# KiCad board digital_board_v1.kicad_pcb (continued)
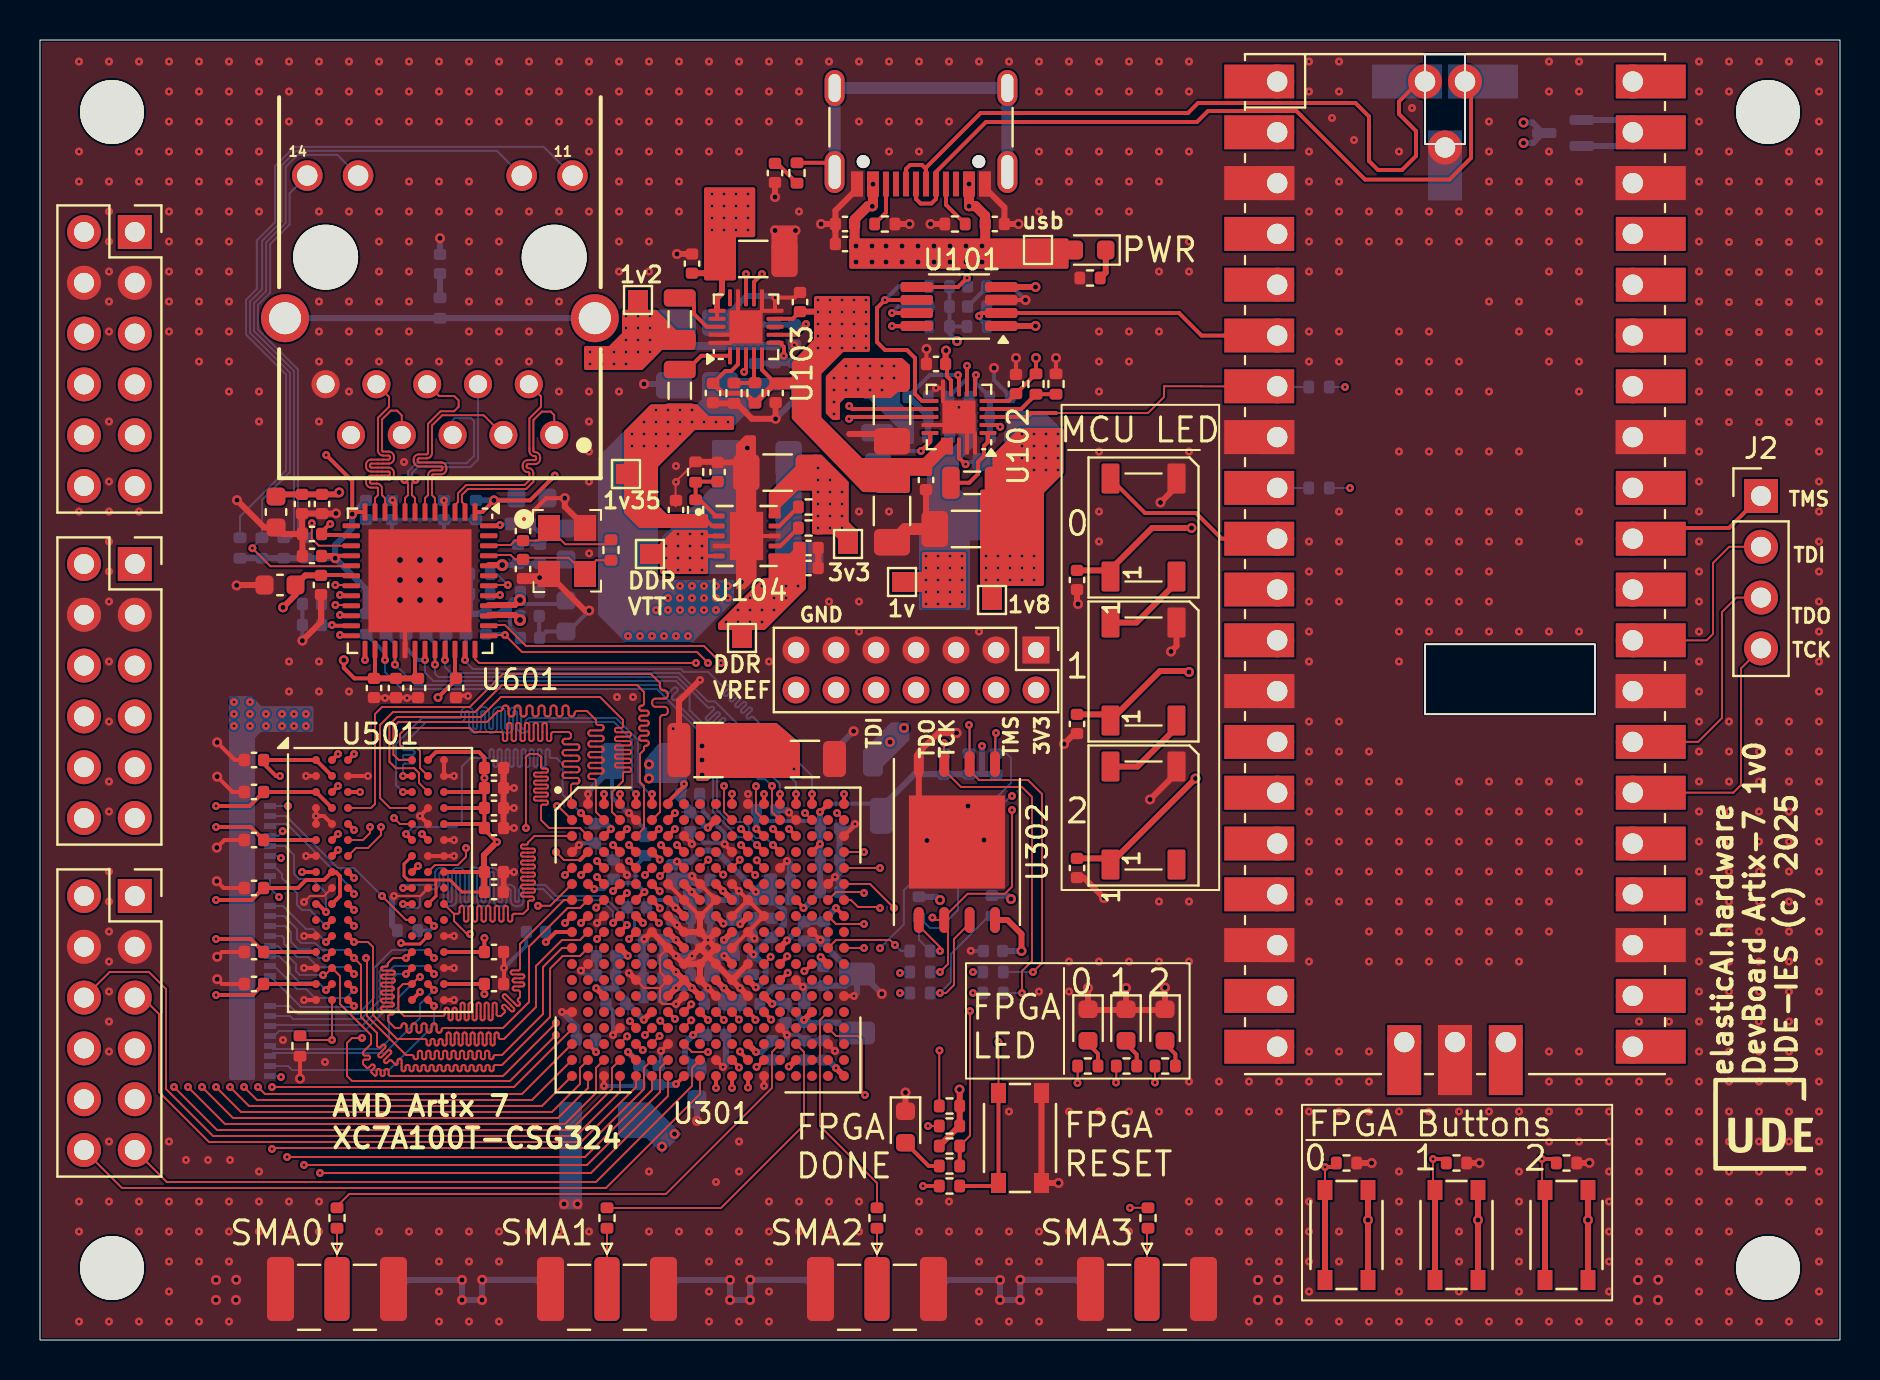
[diagram p0: board, top side]
## Nets (continued)
Net-(U104-REFIN): C125.1 R122.2 R123.1 U104.1
Net-(U301A-IO_L1N_T0_D01_DIN_14): R302.2 U301.K18
Net-(U301A-IO_L1P_T0_D00_MOSI_14): R301.2 U301.K17
Net-(U301A-IO_L2N_T0_D03_14): R304.2 U301.M14
Net-(U301A-IO_L2P_T0_D02_14): R303.2 U301.L14
Net-(U301A-IO_L3N_T0_DQS_EMCCLK_14): R305.2 U301.L16
Net-(U501-ZQ): R505.2 U501.L8
Net-(U601-ISET): R613.2 U601.48

Pads without a net: D203 2; J3 A8 B8; J401 12 14; J601 9; U11 30 35 37 40 41 43; U301 A8 A9 A10 B8 B9 B12 B17 C9 C10 C11 C16 C17 D3 D9 D10 D15 E15 E16 F5 F13 F14 F15 F16 G13 G14 G16 H14 H15 H16 J13 J14 J15 J17 J18 K3 K5 K6 K13 K15 K16 L1 L3 L4 L5 L6 L15 L18 M1 M2 M3 M4 M6 M13 M16 M17 M18 N1 N2 N4 N5 N6 N14 N15 N16 N17 P2 P3 P4 P5 P14 P15 P18 R2 R3 R10 R11 R12 R13 R15 R16 R18 T3 T9 T10 T11 T13 T16 T18 U8 U14 U16 U17 U18 V14 V15 V16 V17; U501 J1 J9 L1 L9 M7; U601 13 43 47

## Via types
v1: diameter 0.4, hole 0.15, F.Cu (signal) to B.Cu (signal), 1417 vias
v2: diameter 0.5, hole 0.25, F.Cu (signal) to B.Cu (signal), 133 vias
v3: diameter 0.6, hole 0.3, F.Cu (signal) to B.Cu (signal), 12 vias
v4: diameter 0.45, hole 0.2, F.Cu (signal) to B.Cu (signal), 1 via

## Routing (per net, layer and track width the routed paths; a pad name or vN(x,y) marks a point on that pad's centre or on a via; arc(x,y) is an arc through that point)
/MCU/3V3_MCU: length 1.8
  B.Cu (signal) w0.1: R205.1 v1(65.5,42.6) ; R204.1 v1(65.25,47.65)
/VCC_1V: length 71.9
  F.Cu (signal) w0.2: 35.07,29.5 33.3,29.5 v2(33.1,29.7) v2(33.1,29) v2(33.1,28.25) ; v1(37.7,28.55) 37.2,29.05 C413.1
  F.Cu (signal) w0.3: v1(34.21,19.21) 34.6,18.82 U301.L11 ; U301.M8 v1(32.6,17.6) U301.N9 ; U301.M8 v1(31.8,18.4) U301.L7 ; U301.M8 v1(31.8,17.6) U301.N7 ; v1(32.59,22.4) 32.2,22.79 U301.F8 U301.G9 ; v1(34.2,20) U301.J11 ; U301.F10 v1(34.15,22.45) U301.G11 ; U301.H8 U301.G7 ; U301.K8 v1(31.8,20) U301.J7 ; U301.N11 v1(34.2,17.6) U301.M10
  In4.Cu (PWR) w0.2: v1(37.7,28.55) 33.3,28.55 33.1,28.35 33.1,27.5 34.1,26.5 34.1,25.55 33,24.45 33,23.6 v1(34.15,22.45)
  B.Cu (signal) w0.1: v1(45.5,39.2) v1(45.5,38.6) v1(45.5,38) v1(45.5,37.4) v1(45.5,36.8) ; v1(45.5,39.2) v1(44.9,39.2) ; v1(45.5,39.2) v1(46.1,39.2) ; v1(44.9,39.2) v1(44.9,38.6) v1(44.9,38) v1(44.9,37.4) v1(44.9,36.8) ; v1(44.9,39.2) v1(44.3,39.2) v1(44.3,38.6) v1(44.3,38) v1(44.3,37.4) v1(44.3,36.8) ; v1(46.1,39.2) v1(46.1,38.6) v1(46.1,38) v1(46.1,37.4) v1(46.1,36.8) ; v1(46.1,39.2) 46.1,39.53 45.03,40.61
  B.Cu (signal) w0.2: 30.27,21.67 30.6,22 31.53,22 C419.1
  B.Cu (signal) w0.3: v1(31.8,20) 31.28,20 31.13,20.15 31.13,17.3 31.5,17.3 v1(31.8,17.6) ; 31.13,18.25 31.28,18.4 v1(31.8,18.4) v1(31.8,17.6) ; v1(34.15,22.45) 33.59,23.01 C411.1 ; 45.03,39.92 C108.1 45.03,43.62 ; v1(31.78,21.61) 31.8,21.59 31.8,21.58 ; C416.1 34.65,19.19 C423.1 ; C416.1 32.55,20.14 C422.1 C424.1 C411.1 ; C416.1 C426.1 34.14,17.6 v1(34.2,17.6) 34.18,17.58 C415.1 C418.1 ; C423.1 34.68,19.24 C417.1 34.53,20 v1(34.2,20) 34.2,19.23 C423.1 ; 46.43,45.03 C107.1 46.46,45.18 ; 33.49,23.02 C411.1 ; 32.53,21.1 C428.1 ; v1(31.8,17.6) v1(32.6,17.6)
  B.Cu (signal) w0.4: R107.1 46.46,45.18 ; 46.43,45.03 45.03,43.62
  B.Cu (signal) w0.8: C108.1 45.03,42.92 46.17,41.78 47.22,41.78
/VCC_1V2: length 45.5
  F.Cu (signal) w0.1: L104.1 30.77,51.2 v1(30.5,51.2)
  F.Cu (signal) w0.2: v1(17.63,41.99) 17.75,41.87 17.75,41.44 ; C610.1 18.75,33.23 18.75,34.56 ; v1(14.6,35.75) 14.64,35.71 15.53,35.71 ; 14,38.08 14.17,38.25 15.56,38.25 ; 15.56,40.25 14.13,40.25 C613.1 14.08,40.4 14.45,40.77 14.48,40.77 v1(14.51,40.8) ; 16.75,34.56 16.75,33.13 C609.1 15.72,33.08 15.19,33.61 v2(15.19,33.99)
  F.Cu (signal) w0.3: C609.1 C616.1 C610.1 ; v3(23.11,38.75) 23.11,38.75 22.44,38.75 ; v2(14.96,42.38) 14.86,42.28 C620.1 C621.1 11.91,42.28 C622.1 ; L104.1 32,49.99 32.2,49.99 ; C615.1 13.26,38.23 12.78,37.75 C617.1 12.78,37.25 v2(12.15,36.63) ; 22.44,36.25 23.75,36.25 v3(24,36)
  B.Cu (signal) w0.1: v1(29.9,49.4) v1(30.5,49.4) v1(30.5,50) v1(30.5,50.6) v1(30.5,51.2) v1(29.9,51.2) v1(29.3,51.2) v1(29.3,50.6) ; v1(29.3,49.4) v1(29.3,48.8) v1(28.7,48.8) v1(28.1,48.8) v1(27.5,48.8) ; v1(29.3,49.4) v1(28.7,49.4) v1(28.1,49.4) v1(27.5,49.4) ; v1(29.3,49.4) v1(29.3,50) v1(29.9,50) v1(29.9,50.6)
  B.Cu (signal) w0.3: C119.1 32.28,50.28 32.28,50.27 ; C625.1 26.09,38.82 C623.1 C624.1 23.83,38.75 v3(23.11,38.75) ; v1(14.6,35.75) C612.1 C614.1 ; 36.65,49.7 36.7,49.75 ; 35.7,49.77 35.77,49.7
  B.Cu (signal) w0.4: C119.1 31.7,49.7 35.63,49.7 35.7,49.77 ; 35.77,49.7 36.65,49.7
  vias: v1(20.2,41.98)
/VCC_1V8: length 41.5
  F.Cu (signal) w0.1: v1(47.9,39.2) v1(47.9,38.6) v1(47.9,38) ; v1(47.9,39.2) v1(48.5,39.2) ; v1(47.9,39.2) v1(47.3,39.2) ; v1(48.5,39.2) v1(49.1,39.2) ; v1(48.5,39.2) v1(48.5,38.6) v1(48.5,38) ; v1(49.1,39.2) v1(49.7,39.2) v1(49.7,38.6) v1(49.7,38) v1(49.1,38) ; v1(49.1,39.2) v1(49.1,38.6) ; C110.1 47.3,39.99 v1(47.3,39.2) ; v1(47.3,39.2) v1(47.3,38.6) v1(47.3,38)
  F.Cu (signal) w0.2: U301.E8 31.88,23.92 v1(31.84,23.92) ; 34.17,20.83 v1(34.17,20.82)
  F.Cu (signal) w0.3: v1(35.01,20.79) 35.4,21.18 U301.H12 ; v1(35.79,17.63) 35.42,18 U301.M12 ; U301.K12 35.4,19.55 v1(35.68,19.28) ; U301.F12 v1(35.79,22.41) ; U301.H10 34.17,20.83
  B.Cu (signal) w0.1: v1(50.9,43.5) v1(50.9,44.1) v1(50.9,44.7) v1(50.9,45.3) 50.7,45.1 50.5,45.1 v1(50.3,45.3) ; v1(50.3,43.5) v1(50.3,44.1) v1(50.3,44.7) v1(50.3,45.3) ; v1(49.1,43.5) v1(49.1,44.1) v1(49.1,44.7) v1(49.1,45.3) ; v1(49.7,43.5) v1(49.7,44.1) v1(49.7,44.7) v1(49.7,45.3) ; v1(49.1,45.3) 49.1,45.2 49.05,45.15 C109.1 ; v1(49.1,45.3) 49.3,45.1 49.5,45.1 v1(49.7,45.3) ; v1(49.7,45.3) 49.9,45.1 50.1,45.1 v1(50.3,45.3)
  B.Cu (signal) w0.2: 36.54,22.05 C403.1 35.79,22.2 v1(35.79,22.41) ; 35.75,22.5 35.75,22.32
  B.Cu (signal) w0.3: C407.1 34.98,20.79 v1(35.01,20.79) ; C407.1 34.44,20.85 34.2,20.85 v1(34.17,20.82) ; C407.1 C403.1 ; v1(31.84,23.92) 32.52,23.92 33.07,24.47 33.78,24.47 35.75,22.5 ; C109.1 48.51,45.18 R109.1 ; C405.1 41.65,29.05 v2(42.5,29.9) v2(43.2,30.6) ; 36.54,22.05 36.63,22.05 37.19,21.49 37.19,20.75 36.58,20.14 C409.1 36.53,20.13 v1(35.68,19.28) 36.28,18.67 36.28,18.03 35.88,17.63 v1(35.79,17.63)
GND: length 366.1
  F.Cu (signal) w0.1: R123.2 31.78,42.91 31.78,41.68 ; 31,17.6 31,16.92 31.12,16.8 v1(31.8,16.8) ; 31,17.6 30.2,17.6 U301.M5 ; 31,17.6 U301.M7 31,18.4 31,19.2 U301.K7 ; U501.J2 14.2,22.2 13.5,22.2 v1(13.2,21.9) ; U501.J8 19,22.2 v1(17.7,22.2) ; U301.B15 37.45,26.35 v1(37.45,26.38) ; U301.L2 27.07,18.47 v1(27.04,18.47)
  F.Cu (signal) w0.2: 17.22,32.12 17.24,32.1 v1(17.25,32.1) ; U301.K11 U301.J12 U301.H13 U301.G12 ; v2(26.24,42.09) 25.31,42.09 C626.2 ; v2(35.07,37.9) 35.07,39.94 U104.11 ; U102.21 46.75,45.35 U102.20 ; U102.21 46.35,45.75 U102.19 ; U102.21 45.55,45.75 U102.14 ; U102.21 45.15,46.95 U102.10 v1(44.8,47.6) ; U301.M15 v1(38.15,17.65) ; 35,18.4 U301.M11 ; R504.2 v2(13,13.07) ; U501.M1 v1(13.2,20.2) ; v1(34.23,24.79) 34.24,24.79 34.24,24.76 U301.D11 ; C510.1 23.2,19.38 v1(23.2,18.6) 23.2,17.82 C507.1 ; U301.D1 v1(26.95,24.75) ; C506.1 v1(23.7,27.6) ; U301.N18 v1(40.7,17.2) ; C505.1 v1(23.7,25.6) ; U501.M9 v1(20.7,20.2) ; U301.H11 U301.G12 ; U301.G12 U301.F11 v1(34.95,22.45) ; 20.8,32.22 21.38,32.22 v1(21.4,32.2) ; U301.R14 v1(37.35,15.25) ; U301.E14 v1(37.35,23.95) ; U501.E2 14.2,26.2 v1(13.8,26.2) ; U501.P1 v1(13.2,18.6) ; C503.1 v1(23.7,26.6) ; U501.G8 U501.G9 v1(20.7,24.2) ; U501.B3 v1(16.4,28.2) ; v1(39.02,20) 38.62,20.4 U301.J16 ; 16.8,32.12 16.7,32.22 ; v1(40.75,25.8) 40.75,25.75 U301.C18 ; U501.E8 v1(19,26.2) U501.D8 ; C508.1 9.1,19.4 v2(8.86,19.16) ; v1(17.25,32.1) 17.27,32.12 C616.2 18.33,32.12 v1(18.35,32.1) 18.37,32.12 C610.2 ; v1(17.25,32.1) 17.23,32.12 C609.2 ; U103.21 34.9,51.06 U103.14 ; U103.21 36.1,51.46 ; U103.21 34.9,50.26 U103.19 ; U103.21 34.5,49.86 U103.20 ; v2(8.86,28.17) 9.63,27.4 C512.1 ; U301.E4 v1(29.35,23.25) ; C513.1 9.22,25 v2(8.84,24.62) ; 36.1,51.46 U103.11 ; 36.1,51.46 U103.10 36.75,52.11 v1(36.76,52.12) 37.74,52.12 C116.2 ; C104.2 v2(48.8,49.1) ; C509.1 9.1,17.8 v2(8.86,18.04) ; U501.G1 v1(13.3,24.2) ; U301.C8 v1(32.6,24.8) ; U301.F17 v1(39.75,23.15) ; U501.T9 v1(20.7,17) ; C511.1 9.74,29 v2(8.86,29.88) ; C514.1 9.18,22.6 v2(8.84,22.94) ; U301.H3 v1(27.85,20.85) ; U104.8 U104.11 ; U104.11 34.83,39.7 U104.4 ; U501.F9 v1(20.7,25) ; U301.R4 v1(28.65,15.25) ; U301.B5 v1(29.45,26.35) ; v2(44.32,49.55) 44.32,49.55 C103.2 ; U601.49 18.25,37.21 U601.29 ; U301.P1 v1(26.1,16.4) ; v1(20.7,28.2) U501.B9 U501.A9 ; v2(49.28,52) U101.3 ; U301.V13 v1(36.2,12.7) ; v1(20.7,18.6) U501.P9 ; U501.B1 v1(13.3,28.2) ; U501.D1 U501.E1 ; U301.V3 v1(28.2,12.7) ; v1(32.6,23.2) U301.F9 U301.G10 U301.H9 U301.G8 U301.F7 ; U301.A2 v1(27.4,27.3) ; U301.U10 v1(34.15,13.65) ; U501.T1 v1(13.2,17) ; U301.T17 v1(39.75,14.45) ; U301.T7 v1(31.05,14.45) ; R106.2 v2(50.8,49.1) ; C504.1 v1(23.7,23.4)
  F.Cu (signal) w0.3: J3.A1 47.25,57.6 48.22,56.63 C201.2 v2(48.93,55.8) ; U301.N10 v1(33.4,17.6) U301.M9 U301.L9 ; 40.46,45.3 42.24,45.3 C112.2 ; U302.9 47.1,24.9 v2(47.2,25) ; U302.9 45.84,26.15 v2(46.4,26.7) ; U302.9 44.43,24.9 v2(44.35,24.97) ; U302.9 43.94,26.81 U302.4 43.94,29.38 44.91,30.35 v2(45.83,30.35) ; v2(50.93,7.85) S401.1 S401.2 ; U301.L9 33.4,19.2 ; U301.L9 U301.L8 ; 33.4,19.2 U301.K10 v1(33.4,20) ; 33.4,19.2 U301.L10 U301.M11 ; 33.4,19.2 U301.K9 ; v1(33.4,20) U301.J9 ; v1(33.4,20) U301.K9 ; v1(33.4,20) U301.J10 ; v2(51.9,36.8) 51.85,36.85 C205.2 ; 71.34,8.85 v2(71.97,8.85) ; C613.2 C605.2 ; C613.2 13.1,40.32 C621.2 C620.2 14.79,41.32 v2(14.8,41.33) ; C613.2 12.12,40.3 C622.2 11.22,40.62 v2(9.85,41.99) ; C113.1 33.69,46.83 R114.2 34.83,46.83 35.6,46.06 v2(36.78,46.06) C114.1 ; C505.1 C501.1 C506.1 ; U301.M5 v1(29.45,18.35) ; 23.2,22.33 23.18,22.35 C504.1 ; v2(56.25,17.62) 56.25,16.5 54.41,16.5 54.3,16.39 ; 56.82,43.08 56.82,42.67 v2(56.03,41.88) ; U301.N8 v1(31.8,16.8) ; C110.2 44.3,40.99 C105.2 ; D401.1 v2(43.28,12.38) ; C115.2 v2(31.85,54.3) ; 31.85,20.78 31.82,20.78 U301.H7 ; C627.2 24.2,38.12 25.27,38.12 Y601.2 25.45,38.27 27.25,36.47 v2(27.46,36.47) ; v2(55.5,27.03) 56.82,28.35 56.82,28.68 ; U301.J9 U301.J8 v1(31.85,20.75) ; U301.J9 U301.H9 ; 39.77,55.45 39.77,56.47 40.85,57.55 J3.A12 ; 39.77,55.45 C203.2 v2(39.05,55.8) ; 39.77,55.45 39.77,54.75 ; U301.M11 v1(35,17.6) U301.N12 ; U301.M11 U301.L12 ; 76.84,8.85 77.46,8.85 v2(77.47,8.86) ; C615.2 14.05,35.9 v2(13.12,34.97) ; C130.2 C131.2 ; 54.3,16.39 v2(54.3,17.6) ; 54.3,16.39 54.19,16.5 52.4,16.5 v2(52.4,17.6) ; v2(9.83,37.73) 9.95,37.73 9.97,37.75 C617.2 ; v2(56.55,34.43) 56.82,34.7 56.82,35.88 ; C117.1 37.22,55 v2(36.75,55.47) v2(37.78,55.47) ; R123.2 33.85,43.91 C125.2 34.89,43.88 35.37,43.4 v2(35.37,44.6) ; v2(26.24,42.09) 26.24,41.67 27.25,40.66 Y601.4 ; v2(53.2,22.1) 52.18,23.12 C207.2 ; R202.2 v2(44.53,55.8) ; U301.K9 v1(32.6,19.2) U301.L8 ; v2(51.2,29.8) 51.72,30.32 C206.2 ; U301.L8 v1(31.8,19.2) U301.K7 U301.J6 30.58,20.4 v1(30.21,20.04) ; v1(33,33) 31.95,31.95 C414.2 31.95,30.28 v1(31.66,30.57) ; U301.J12 v1(35.72,20.07) ; 65.84,8.85 v2(66.58,8.85) ; C204.2 v2(36.75,57.15) ; R201.2 v2(43.47,55.8)
  F.Cu (signal) w0.6: C110.2 43.26,40.55 C106.1
  In4.Cu (PWR) w0.6: U11.18 64.96,19.75 65.1,19.6 ; U11.13 64.75,32.44 64.8,32.5 ; 70.9,17.9 70.75,17.75 70.75,14.9
  B.Cu (signal) w0.15: C412.2 29.73,21.25 29.73,20.44 C421.2
  B.Cu (signal) w0.2: R110.2 48.51,47.19 47.7,48 v2(47.7,48.6) ; R112.2 44.41,47.21 v1(44.8,47.6) ; C614.2 C612.2 v2(13.12,34.97) ; v3(20,39) 20.2,39.2 C618.2 ; C623.2 25.08,39.78 25.88,40.58 C625.2 ; C623.2 C624.2 ; C623.2 25,40.32 R613.1 24.52,41.29 25.33,42.1 C606.2 25.38,42.09 v2(26.24,42.09) ; v1(28.65,15.25) 28.65,16.45 C323.1 ; v1(28.2,12.7) 29.91,12.7 C326.1 ; C608.2 C618.2 ; C618.2 C619.2 ; v1(32.6,24.8) 32.59,24.81 32.59,25.33 C317.1 32.64,25.42 33.19,24.87 34.15,24.87 v1(34.23,24.79) 34.23,25.35 33.16,26.42 33.16,27.12 C319.1 ; C611.2 24.96,35.12 C602.2 25.31,35.43 C601.2 26.41,35.43 v2(27.46,36.47) ; C305.1 37.91,15.28 37.38,15.28 v1(37.35,15.25) ; v1(27.04,18.47) 27.26,18.25 C327.1 C322.1 ; v1(46.54,19.46) 46.55,19.45 C144.2 ; C619.2 C607.2 ; C619.2 17.6,39.4 v3(18,39) ; C324.1 31.05,13.84 v1(31.05,14.45) ; v1(29.35,23.25) 29.35,23.33 C320.1 28.58,24 C315.1 27.05,24.85 v1(26.95,24.75) ; v2(49.28,52) 48.6,52.67 C102.2 47.34,52.64 C101.2 ; C318.1 24.32,19.72 v1(23.2,18.6) ; R108.2 v1(45.94,46.63) ; C321.1 28.6,28.93 28.6,27.13 29.38,26.35 v1(29.45,26.35) 30.26,25.54 C316.1 ; v1(32.6,23.2) 32.6,23.07 C411.2
  B.Cu (signal) w0.3: 52.53,2.3 51.81,3.01 v2(49.01,3.01) 49.01,2.01 v2(49,2) v2(48,2) v2(48,3) 45.38,3 44.68,2.3 ; v1(38.15,17.65) 36.68,17.65 36,16.97 C418.2 ; v1(38.15,17.65) 38.22,17.58 C306.1 ; v1(38.15,17.65) 38.22,17.72 C301.1 40.27,17.72 C307.1 ; 26.53,7.25 C328.1 ; C305.1 C304.1 ; v1(33.4,17.6) 33.22,17.42 C415.2 ; C420.2 C425.2 C427.2 C421.2 ; 37.5,22.05 37.5,23.8 v1(37.35,23.95) ; v2(46.4,26.7) 45.91,26.21 C314.1 44.59,25.78 44.59,25.22 v2(44.35,24.97) ; v1(31.8,19.2) 32.53,19.2 C416.2 C426.2 ; C405.2 39.75,29.51 v2(40.68,30.44) ; v1(36.76,52.12) 36.68,52.2 35.34,52.2 C121.2 ; 31.18,2.3 31.88,3 v2(34.5,3) v2(34.5,2) v2(35.5,2) 35.51,2.01 v2(35.51,3.01) 38.31,3.01 39.03,2.3 ; v2(30.2,47.8) 31.64,47.8 C119.2 ; v1(37.45,26.38) 37.34,26.49 C308.1 ; v2(42.09,17.31) 41.1,18.3 C307.1 ; 37.7,47.83 37.7,46.98 v2(36.78,46.06) ; C303.1 36.95,14 37.35,14.4 v1(37.35,15.25) 37.28,15.32 C302.1 ; C401.2 v2(32.85,10.95) ; C628.2 v2(20,55.09) ; C417.2 C407.2 C409.2 ; C325.1 26.82,15.68 v1(26.1,16.4) ; R505.1 17.6,20.74 17.6,22.1 v1(17.7,22.2) ; C402.2 34.29,13.79 v1(34.15,13.65) ; C604.2 v2(24.98,38.12) ; v1(40.7,17.2) 40.85,17.35 C307.1 ; C310.1 39.98,22.92 v1(39.75,23.15) 39.98,23.38 C313.1 C309.1 40.52,25.57 v1(40.75,25.8) ; C408.2 C423.2 34.69,17.91 v1(35,17.6) ; C403.2 34.63,22 33.55,22 C424.2 C428.2 C422.2 ; 25.53,2.3 24.81,3.01 v2(22.11,3.01) 22.11,2.01 v2(22.1,2) v2(21.1,2) v2(21.1,3) 18.38,3 17.68,2.3 ; C307.1 40.66,18.3 39.18,19.78 C311.1 C312.1 ; C321.1 28.62,28.63 27.4,27.41 v1(27.4,27.3) ; C411.2 31.83,23.01 C410.2
  vias: v1(1.95,63.92) v1(1.95,59.42) v1(1.95,57.92) v1(1.95,41.42) v1(1.95,6.92) v1(1.95,5.42) v1(1.95,0.92) v1(3.45,63.92) v1(3.45,57.92) v1(3.45,56.42) v1(3.45,54.92) v1(3.45,53.42) v1(3.45,51.92) v1(3.45,50.42) v1(3.45,45.92) v1(3.45,42.92) v1(3.45,41.42) v1(3.45,39.92) v1(3.45,38.42) v1(3.45,36.92) v1(3.45,33.92) v1(3.45,30.92) v1(3.45,27.92) v1(3.45,26.42) v1(3.45,23.42) v1(3.45,21.92) v1(3.45,20.42) v1(3.45,18.92) v1(3.45,17.42) v1(3.45,15.92) v1(3.45,14.42) v1(3.45,9.92) v1(3.45,6.92) v1(3.45,0.92) v1(4.95,63.92) v1(4.95,59.42) v1(4.95,57.92) v1(4.95,41.42) v1(4.95,6.92) v1(4.95,5.42) v1(4.95,0.92) v1(6.45,63.92) v1(6.45,62.42) v1(6.45,60.92) v1(6.45,59.42) v1(6.45,57.92) v1(6.45,56.42) v1(6.45,54.92) v1(6.45,53.42) v1(6.45,51.92) v1(6.45,50.42) v1(6.45,9.92) v1(6.45,6.92) v1(6.45,5.42) v1(6.45,3.92) v1(6.45,2.42) v1(6.45,0.92) v1(7.3,9) v1(7.95,63.92) v1(7.95,62.42) v1(7.95,60.92) v1(7.95,59.42) v1(7.95,57.92) v1(7.95,56.42) v1(7.95,54.92) v1(7.95,53.42) v1(7.95,51.92) v1(7.95,50.42) v1(7.95,48.92) v1(7.95,6.92) v1(7.95,5.42) v1(7.95,3.92) v1(7.95,0.92) v1(8.4,9) v1(9.45,63.92) v1(9.45,62.42) v1(9.45,60.92) v1(9.45,59.42) v1(9.45,57.92) v1(9.45,56.42) v1(9.45,54.92) v1(9.45,53.42) v1(9.45,51.92) v1(9.45,50.42) v1(9.45,48.92) v1(9.45,47.42) v1(9.45,6.92) v1(9.45,5.42) v1(9.45,3.92) v1(9.45,0.92) v1(9.5,9) v1(10.95,63.92) v1(10.95,62.42) v1(10.95,60.92) v1(10.95,59.42) v1(10.95,57.92) v1(10.95,56.42) v1(10.95,47.42) v1(10.95,45.92) v1(10.95,8.42) v1(10.95,6.92) v1(10.95,5.42) v1(12.15,15) v1(12.45,63.92) v1(12.45,62.42) v1(12.45,60.92) v1(12.45,33.92) v1(12.45,32.42) v1(12.45,6.92) v1(12.45,5.42) v1(13.95,63.92) v1(13.95,62.42) v1(13.95,60.92) v1(13.95,56.42) v1(13.95,51.92) v1(13.95,50.42) v1(13.95,48.92) v1(13.95,45.92) v1(13.95,33.92) v1(13.95,32.42) v1(13.95,6.92) v1(13.95,5.42) v1(14.25,13.9) v1(15.45,63.92) v1(15.45,62.42) v1(15.45,60.92) v1(15.45,56.42) v1(15.45,51.92) v1(15.45,50.42) v1(15.45,48.92) v1(15.45,47.42) v1(15.45,32.42) v1(16.95,63.92) v1(16.95,62.42) v1(16.95,60.92) v1(16.95,56.42) v1(16.95,54.92) v1(16.95,53.42) v1(16.95,51.92) v1(16.95,50.42) v1(16.95,48.92) v1(16.95,5.42) v1(18.2,43.9) v1(18.45,63.92) v1(18.45,62.42) v1(18.45,60.92) v1(18.45,57.92) v1(18.45,56.42) v1(18.45,54.92) v1(18.45,53.42) v1(18.45,51.92) v1(18.45,50.42) v1(18.45,48.92) v1(18.45,5.42) v1(19.95,63.92) v1(19.95,62.42) v1(19.95,60.92) v1(19.95,57.92) v1(19.95,56.42) v1(19.95,48.92) v1(19.95,5.42) v1(19.95,3.92) v1(19.95,2.42) v1(19.95,0.92) v1(21.45,63.92) v1(21.45,62.42) v1(21.45,60.92) v1(21.45,57.92) v1(21.45,56.42) v1(21.45,54.92) v1(21.45,53.42) v1(21.45,51.92) v1(21.45,50.42) v1(21.45,48.92) v1(21.45,5.42) v1(21.45,3.92) v1(21.45,0.92) v1(22.95,63.92) v1(22.95,62.42) v1(22.95,60.92) v1(22.95,56.42) v1(22.95,54.92) v1(22.95,53.42) v1(22.95,51.92) v1(22.95,50.42) v1(22.95,48.92) v1(22.95,5.42) v1(22.95,3.92) v1(22.95,0.92) v1(24.45,63.92) v1(24.45,62.42) v1(24.45,60.92) v1(24.45,56.42) v1(24.45,51.92) v1(24.45,50.42) v1(24.45,48.92) v1(24.45,5.42) v1(25.95,63.92) v1(25.95,62.42) v1(25.95,60.92) v1(25.95,56.42) v1(25.95,51.92) v1(25.95,50.42) v1(25.95,48.92) v1(25.95,47.42) v1(25.95,5.42) v1(27.45,63.92) v1(27.45,62.42) v1(27.45,60.92) v1(27.45,59.42) v1(27.45,56.42) v1(27.45,47.42) v1(27.45,45.92) v1(27.45,44.42) v1(27.45,42.92) v1(27.45,5.42) v1(27.46,39.33) v1(28.85,32.15) v1(28.95,63.92) v1(28.95,62.42) v1(28.95,60.92) v1(28.95,59.42) v1(28.95,57.92) v1(28.95,56.42) v1(28.95,54.92) v1(28.95,53.42) v1(28.95,47.42) v1(29.65,32.15) v1(30.45,63.92) v1(30.45,62.42) v1(30.45,60.92) v1(30.45,59.42) v1(30.45,57.92) v1(30.45,56.42) v1(30.45,54.92) v1(30.45,53.42) v1(30.45,8.42) v1(30.45,5.42) v1(31.8,43.7) v1(31.8,42.9) v1(31.95,63.92) v1(31.95,62.42) v1(31.95,60.92) v1(31.95,59.42) v1(31.95,57.92) v1(31.95,56.42) v1(31.95,5.42) v1(33.45,63.92) v1(33.45,62.42) v1(33.45,60.92) v1(33.45,59.42) v1(33.45,5.42) v1(33.45,3.92) v1(33.45,2.42) v1(33.45,0.92) v1(33.8,7.9) v1(34.95,63.92) v1(34.95,62.42) v1(34.95,60.92) v1(34.95,59.42) v1(34.95,9.92) v1(34.95,8.42) v1(34.95,5.42) v1(34.95,3.92) v1(34.95,0.92) v1(35.4,27.3) v1(36.45,63.92) v1(36.45,62.42) v1(36.45,60.92) v1(36.45,33.92) v1(36.45,6.92) v1(36.45,5.42) v1(36.45,3.92) v1(36.45,2.42) v1(36.45,0.92) v1(37.72,49.75) v1(37.95,63.92) v1(37.95,62.42) v1(37.95,60.92) v1(37.95,56.42) v1(37.95,6.92) v1(37.95,5.42) v1(39.45,63.92) v1(39.45,36.92) v1(39.45,6.92) v1(39.45,5.42) v1(40.95,63.92) v1(40.95,60.92) v1(40.95,41.42) v1(40.95,36.92) v1(40.95,35.42) v1(40.95,6.92) v1(40.95,5.42) v1(42.45,63.92) v1(42.45,60.92) v1(42.45,59.42) v1(42.45,41.42) v1(43.95,63.92) v1(43.95,60.92) v1(43.95,59.42) v1(43.95,6.92) v1(43.95,5.42) v1(45.45,63.92) v1(45.45,60.92) v1(45.45,6.92) v1(45.45,5.42) v1(46.95,63.92) v1(46.95,35.42) v1(46.95,5.42) v1(46.95,3.92) v1(46.95,2.42) v1(46.95,0.92) v1(48.45,63.92) v1(48.45,11.42) v1(48.45,5.42) v1(48.45,3.92) v1(48.45,0.92) v1(49.95,63.92) v1(49.95,62.42) v1(49.95,59.42) v1(49.95,57.92) v1(49.95,56.42) v1(49.95,17.42) v1(49.95,5.42) v1(49.95,3.92) v1(49.95,2.42) v1(49.95,0.92) v1(51.45,63.92) v1(51.45,62.42) v1(51.45,59.42) v1(51.45,57.92) v1(51.45,56.42) v1(51.45,18.92) v1(51.45,17.42) v1(51.45,11.42) v1(51.45,5.42) v1(52.95,63.92) v1(52.95,62.42) v1(52.95,59.42) v1(52.95,57.92) v1(52.95,56.42) v1(52.95,50.42) v1(52.95,48.92) v1(52.95,47.42) v1(52.95,44.42) v1(52.95,41.42) v1(52.95,39.92) v1(52.95,18.92) v1(52.95,11.42) v1(52.95,5.42) v1(54.45,63.92) v1(54.45,62.42) v1(54.45,59.42) v1(54.45,57.92) v1(54.45,56.42) v1(54.45,50.42) v1(54.45,48.92) v1(54.45,18.92) v1(54.45,11.42) v1(54.45,5.42) v1(55.95,63.92) v1(55.95,62.42) v1(55.95,59.42) v1(55.95,57.92) v1(55.95,53.42) v1(55.95,50.42) v1(55.95,21.92) v1(55.95,18.92) v1(55.95,11.42) v1(57.45,63.92) v1(57.45,62.42) v1(57.45,59.42) v1(57.45,54.92) v1(57.45,53.42) v1(57.45,44.42) v1(57.45,21.92) v1(57.45,18.92) v1(57.45,12.92) v1(57.45,11.42) v1(57.45,6.92) v1(57.45,5.42) v1(58.95,12.92) v1(58.95,11.42) v1(58.95,6.92) v1(58.95,5.42) v1(60.45,12.92) v1(60.45,11.42) v1(60.45,6.92) v1(60.45,5.42) v1(60.45,3.92) v1(60.45,0.92) v1(61.95,12.92) v1(61.95,11.42) v1(61.95,6.92) v1(61.95,5.42) v1(61.95,3.92) v1(61.95,0.92) v1(63.45,63.92) v1(63.45,62.42) v1(63.45,59.42) v1(63.45,57.92) v1(63.45,56.42) v1(63.45,54.92) v1(63.45,53.42) v1(63.45,50.42) v1(63.45,48.92) v1(63.45,39.92) v1(63.45,38.42) v1(63.45,36.92) v1(63.45,35.42) v1(63.45,33.92) v1(63.45,30.92) v1(63.45,29.42) v1(63.45,27.92) v1(63.45,26.42) v1(63.45,24.92) v1(63.45,23.42) v1(63.45,21.92) v1(63.45,18.92) v1(63.45,14.42) v1(63.45,12.92) v1(63.45,11.42) v1(63.45,6.92) v1(63.45,5.42) v1(63.45,3.92) v1(63.45,2.42) v1(63.45,0.92) v1(64.6,61.1) v1(64.95,63.92) v1(64.95,62.42) v1(64.95,57.92) v1(64.95,56.42) v1(64.95,54.92) v1(64.95,53.42) v1(64.95,50.42) v1(64.95,48.92) v1(64.95,41.42) v1(64.95,39.92) v1(64.95,38.42) v1(64.95,36.92) v1(64.95,30.92) v1(64.95,29.42) v1(64.95,27.92) v1(64.95,26.42) v1(64.95,24.92) v1(64.95,23.42) v1(64.95,21.92) v1(64.95,14.42) v1(64.95,12.92) v1(64.95,11.42) v1(64.95,5.42) v1(64.95,3.92) v1(64.95,0.92) v1(65.7,60) v1(66.45,56.42) v1(66.45,54.92) v1(66.45,29.42) v1(66.45,27.92) v1(66.45,26.42) v1(66.45,24.92) v1(66.45,23.42) v1(66.45,21.92) v1(66.45,20.42) v1(66.45,18.92) v1(66.45,14.42) v1(66.45,12.92) v1(66.45,11.42) v1(66.45,0.92) v1(67.95,59.42) v1(67.95,56.42) v1(67.95,54.92) v1(67.95,50.42) v1(67.95,48.92) v1(67.95,47.42) v1(67.95,44.42) v1(67.95,41.42) v1(67.95,39.92) v1(67.95,38.42) v1(67.95,36.92) v1(67.95,35.42) v1(67.95,33.92) v1(67.95,27.92) v1(67.95,26.42) v1(67.95,24.92) v1(67.95,23.42) v1(67.95,21.92) v1(67.95,20.42) v1(67.95,18.92) v1(67.95,11.42) v1(67.95,8.42) v1(67.95,6.92) v1(67.95,5.42) v1(67.95,3.92) v1(67.95,2.42) v1(67.95,0.92) v1(68.6,61.6) v1(69.45,56.42) v1(69.45,54.92) v1(69.45,50.42) v1(69.45,48.92) v1(69.45,47.42) v1(69.45,44.42) v1(69.45,41.42) v1(69.45,39.92) v1(69.45,38.42) v1(69.45,36.92) v1(69.45,35.42) v1(69.45,26.42) v1(69.45,24.92) v1(69.45,23.42) v1(69.45,21.92) v1(69.45,20.42) v1(69.45,18.92) v1(69.45,11.42) v1(69.45,0.92) v1(70.95,56.42) v1(70.95,54.92) v1(70.95,48.92) v1(70.95,47.42) v1(70.95,44.42) v1(70.95,41.42) v1(70.95,39.92) v1(70.95,38.42) v1(70.95,36.92) v1(70.95,35.42) v1(70.95,27.92) v1(70.95,26.42) v1(70.95,24.92) v1(70.95,23.42) v1(70.95,21.92) v1(70.95,20.42) v1(70.95,18.92) v1(70.95,11.42) v1(70.95,6.92) v1(70.95,5.42) v1(70.95,3.92) v1(70.95,2.42) v1(70.95,0.92) v1(72.45,60.92) v1(72.45,59.42) v1(72.45,57.92) v1(72.45,56.42) v1(72.45,54.92) v1(72.45,51.92) v1(72.45,47.42) v1(72.45,44.42) v1(72.45,41.42) v1(72.45,39.92) v1(72.45,38.42) v1(72.45,36.92) v1(72.45,35.42) v1(72.45,27.92) v1(72.45,26.42) v1(72.45,24.92) v1(72.45,23.42) v1(72.45,21.92) v1(72.45,20.42) v1(72.45,18.92) v1(72.45,11.42) v1(72.45,0.92) v1(73.95,57.92) v1(73.95,56.42) v1(73.95,54.92) v1(73.95,51.92) v1(73.95,50.42) v1(73.95,44.42) v1(73.95,41.42) v1(73.95,39.92) v1(73.95,35.42) v1(73.95,27.92) v1(73.95,26.42) v1(73.95,24.92) v1(73.95,23.42) v1(73.95,21.92) v1(73.95,20.42) v1(73.95,18.92) v1(73.95,11.42) v1(73.95,8.42) v1(73.95,6.92) v1(73.95,5.42) v1(73.95,3.92) v1(73.95,2.42) v1(73.95,0.92) v1(75.45,63.92) v1(75.45,62.42) v1(75.45,59.42) v1(75.45,57.92) v1(75.45,56.42) v1(75.45,54.92) v1(75.45,53.42) v1(75.45,50.42) v1(75.45,48.92) v1(75.45,35.42) v1(75.45,27.92) v1(75.45,26.42) v1(75.45,24.92) v1(75.45,23.42) v1(75.45,21.92) v1(75.45,20.42) v1(75.45,14.42) v1(75.45,12.92) v1(75.45,11.42) v1(75.45,9.92) v1(75.45,0.92) v1(76.95,63.92) v1(76.95,62.42) v1(76.95,57.92) v1(76.95,56.42) v1(76.95,54.92) v1(76.95,53.42) v1(76.95,51.92) v1(76.95,48.92) v1(76.95,47.42) v1(76.95,41.42) v1(76.95,39.92) v1(76.95,35.42) v1(76.95,27.92) v1(76.95,26.42) v1(76.95,24.92) v1(76.95,23.42) v1(76.95,14.42) v1(76.95,12.92) v1(76.95,11.42) v1(76.95,9.92) v1(76.95,0.92) v1(78.45,12.92) v1(78.45,11.42) v1(78.45,9.92) v1(78.45,8.42) v1(78.45,6.92) v1(78.45,5.42) v1(78.45,3.92) v1(78.45,2.42) v1(78.45,0.92) v1(79.95,15.92) v1(79.95,12.92) v1(79.95,11.42) v1(79.95,9.92) v1(79.95,8.42) v1(79.95,6.92) v1(79.95,5.42) v1(79.95,3.92) v1(79.95,0.92) v1(81.45,15.92) v1(81.45,12.92) v1(81.45,11.42) v1(81.45,9.92) v1(81.45,8.42) v1(81.45,6.92) v1(81.45,5.42) v1(81.45,3.92) v1(81.45,0.92) v1(82.95,63.92) v1(82.95,62.42) v1(82.95,60.92) v1(82.95,59.42) v1(82.95,57.92) v1(82.95,56.42) v1(82.95,54.92) v1(82.95,53.42) v1(82.95,51.92) v1(82.95,50.42) v1(82.95,48.92) v1(82.95,47.42) v1(82.95,45.92) v1(82.95,44.42) v1(82.95,42.92) v1(82.95,41.42) v1(82.95,39.92) v1(82.95,38.42) v1(82.95,36.92) v1(82.95,35.42) v1(82.95,33.92) v1(82.95,32.42) v1(82.95,30.92) v1(82.95,29.42) v1(82.95,27.92) v1(82.95,26.42) v1(82.95,24.92) v1(82.95,23.42) v1(82.95,21.92) v1(82.95,20.42) v1(82.95,18.92) v1(82.95,17.42) v1(82.95,15.92) v1(82.95,14.42) v1(82.95,12.92) v1(82.95,11.42) v1(82.95,9.92) v1(82.95,8.42) v1(82.95,6.92) v1(82.95,5.42) v1(82.95,3.92) v1(82.95,2.42) v1(82.95,0.92) v1(84.45,63.92) v1(84.45,62.42) v1(84.45,59.42) v1(84.45,57.92) v1(84.45,56.42) v1(84.45,54.9) v1(84.45,53.4) v1(84.45,51.9) v1(84.45,50.4) v1(84.45,48.9) v1(84.45,47.4) v1(84.45,45.9) v1(84.45,30.92) v1(84.45,29.42) v1(84.45,27.92) v1(84.45,26.42) v1(84.45,24.92) v1(84.45,23.42) v1(84.45,21.92) v1(84.45,20.42) v1(84.45,18.92) v1(84.45,17.42) v1(84.45,15.92) v1(84.45,14.42) v1(84.45,12.92) v1(84.45,11.42) v1(84.45,9.92) v1(84.45,8.42) v1(84.45,6.92) v1(84.45,5.42) v1(84.45,2.42) v1(84.45,0.92) v1(85.95,63.92) v1(85.95,57.92) v1(85.95,56.42) v1(85.95,54.9) v1(85.95,53.4) v1(85.95,51.9) v1(85.95,50.4) v1(85.95,48.9) v1(85.95,47.4) v1(85.95,45.9) v1(85.95,30.92) v1(85.95,29.42) v1(85.95,27.92) v1(85.95,26.42) v1(85.95,24.92) v1(85.95,23.42) v1(85.95,21.92) v1(85.95,20.42) v1(85.95,18.92) v1(85.95,17.42) v1(85.95,15.92) v1(85.95,14.42) v1(85.95,12.92) v1(85.95,11.42) v1(85.95,9.92) v1(85.95,8.42) v1(85.95,6.92) v1(85.95,0.92) v1(87.45,63.92) v1(87.45,59.42) v1(87.45,57.92) v1(87.45,56.42) v1(87.45,54.9) v1(87.45,53.4) v1(87.45,51.9) v1(87.45,50.4) v1(87.45,48.9) v1(87.45,47.4) v1(87.45,45.9) v1(87.45,30.92) v1(87.45,29.42) v1(87.45,27.92) v1(87.45,26.42) v1(87.45,24.92) v1(87.45,23.42) v1(87.45,21.92) v1(87.45,20.42) v1(87.45,18.92) v1(87.45,17.42) v1(87.45,15.92) v1(87.45,14.42) v1(87.45,12.92) v1(87.45,11.42) v1(87.45,9.92) v1(87.45,8.42) v1(87.45,6.92) v1(87.45,0.92) v1(88.95,63.92) v1(88.95,62.42) v1(88.95,60.92) v1(88.95,59.42) v1(88.95,57.92) v1(88.95,56.42) v1(88.95,54.92) v1(88.95,53.42) v1(88.95,51.92) v1(88.95,50.42) v1(88.95,48.92) v1(88.95,47.42) v1(88.95,45.92) v1(88.95,44.42) v1(88.95,42.92) v1(88.95,41.42) v1(88.95,39.92) v1(88.95,38.42) v1(88.95,36.92) v1(88.95,35.42) v1(88.95,33.92) v1(88.95,32.42) v1(88.95,30.92) v1(88.95,29.42) v1(88.95,27.92) v1(88.95,26.42) v1(88.95,24.92) v1(88.95,23.42) v1(88.95,21.92) v1(88.95,20.42) v1(88.95,18.92) v1(88.95,17.42) v1(88.95,15.92) v1(88.95,14.42) v1(88.95,12.92) v1(88.95,11.42) v1(88.95,9.92) v1(88.95,8.42) v1(88.95,6.92) v1(88.95,5.42) v1(88.95,3.92) v1(88.95,2.42) v1(88.95,0.92) v2(8.8,3) v2(8.8,2) v2(9.81,3.01) v2(9.8,2) v2(26.2,6.8) v2(26.88,6.8) v2(60.9,3) v2(60.9,2) v2(61.91,3.01) v2(61.9,2) v2(79.9,3) v2(79.9,2) v2(80.91,3.01) v2(80.9,2) v3(18,38) v3(18,37) v3(19,39) v3(19,38) v3(19,37) v3(20,38) v3(20,37)
